# Altium PCB RF-BIG-DB5AT_v1.pcbdoc (part 4 of 7)
Units mm, origin at the board's own origin, x right, y up, seen from the top; angles counter-clockwise.
Board outline 281 x 128.57 mm, 2 copper layers (Top Layer, Bottom Layer), stack 1.671 mm thick; 500 components, 260 nets, 1552 pads, 9606 vias.
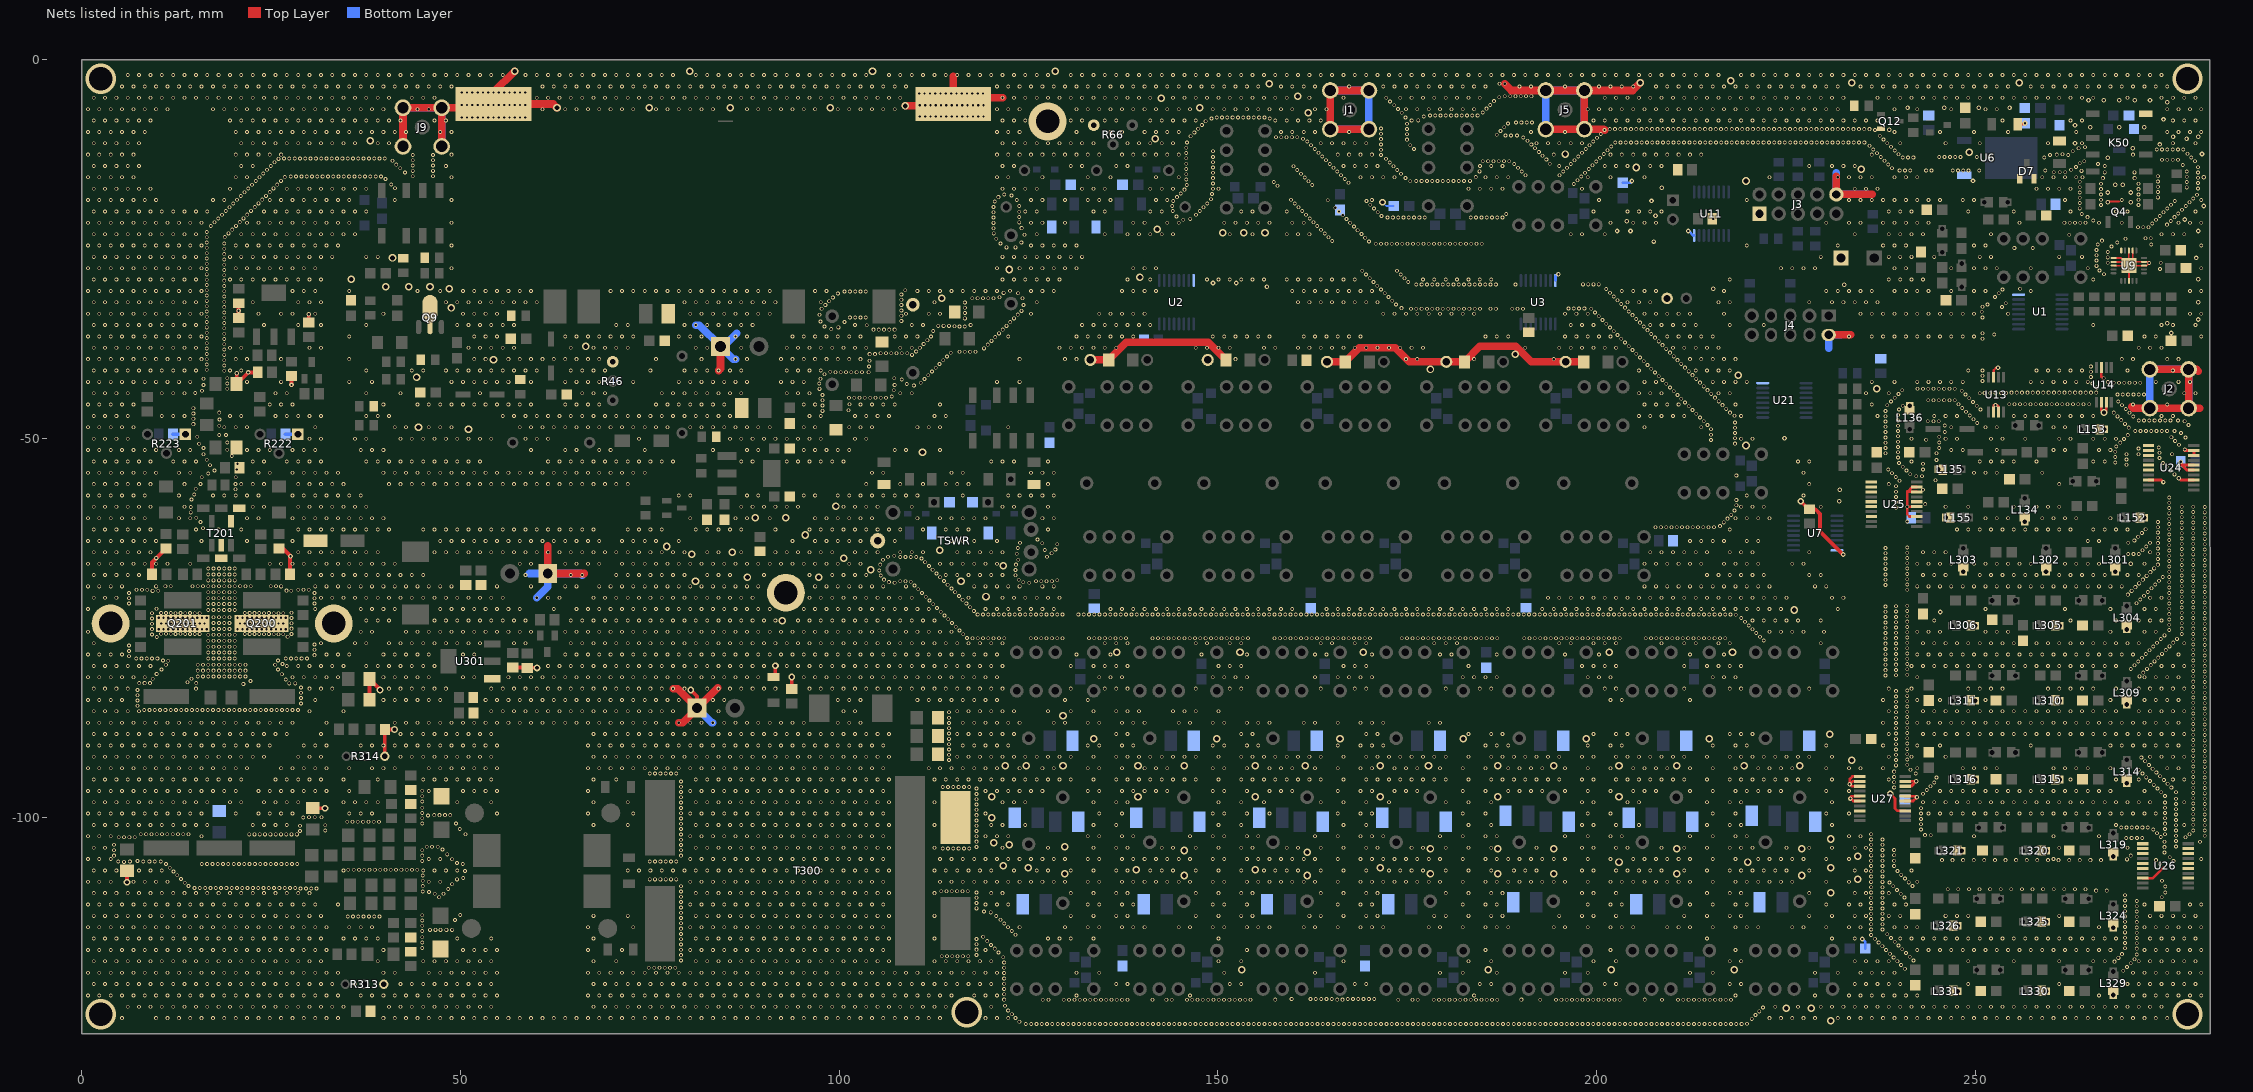
[diagram p4: the nets of this part, all layers, seen from the top]

## Via types
v1: diameter 0.5, hole 0.3, Top Layer to Bottom Layer, tented both sides, 9171 vias
v2: diameter 1, hole 0.61, Top Layer to Bottom Layer, 141 vias
v3: diameter 0.9, hole 0.5, Top Layer to Bottom Layer, 84 vias
v4: diameter 0.61, hole 0.305, Top Layer to Bottom Layer, 83 vias
v5: diameter 0.5, hole 0.3, Top Layer to Bottom Layer, tented bottom, 64 vias
v6: diameter 0.6, hole 0.3, Top Layer to Bottom Layer, 43 vias
v7: diameter 4, hole 3.1, Top Layer to Bottom Layer, 6 vias
v8: diameter 0.7, hole 0.3, Top Layer to Bottom Layer, 4 vias
v9: diameter 0.61, hole 0.306, Top Layer to Bottom Layer, 3 vias
v10: diameter 0.5, hole 0.305, Top Layer to Bottom Layer, 2 vias
v11: diameter 2, hole 1, Top Layer to Bottom Layer, 2 vias
v12: diameter 0.5, hole 0.3, Top Layer to Bottom Layer, 1 vias
v13: diameter 5, hole 3.1, Top Layer to Bottom Layer, 1 vias
v14: diameter 1, hole 0.4, Top Layer to Bottom Layer, 1 vias

## Nets (pads, with @x,y where several pads share a name; then routed paths per layer and width w, separated by ;. In a path a pad name is that pad's centre, name@x,y a point inside that pad or via, vN(x,y) a via of type N, cw(c..) or ccw(c..) an arc to the next point about the centre after c; other vN are vias at no path point) (continued)
GND: (continued)
  other v1: 54.818,-90.522 66.818,-90.522 68.318,-90.522 69.818,-90.522 71.318,-90.522 72.818,-90.522 74.318,-90.522 75.818,-90.522 77.318,-90.522 78.818,-90.522 80.318,-90.522 81.818,-90.522 83.318,-90.522 84.818,-90.522 86.318,-90.522 87.818,-90.522 89.318,-90.522 90.818,-90.522 92.318,-90.522 93.818,-90.522 95.318,-90.522 96.818,-90.522 98.318,-90.522 99.818,-90.522 101.318,-90.522 102.818,-90.522 104.318,-90.522 105.818,-90.522 116.318,-90.522 117.818,-90.522 119.318,-90.522 120.818,-90.522 122.318,-90.522 132.818,-90.522 134.318,-90.522 137.318,-90.522 138.818,-90.522 149.318,-90.522 150.818,-90.522 153.818,-90.522 155.318,-90.522 165.818,-90.522 168.818,-90.522 170.318,-90.522 171.818,-90.522 185.318,-90.522 186.818,-90.522 188.318,-90.522 198.818,-90.522 201.818,-90.522 203.318,-90.522 215.318,-90.522 218.318,-90.522 219.818,-90.522 230.318,-90.522 237.818,-90.522 242.318,-90.522 245.318,-90.522 257.318,-90.522 267.818,-90.522 269.318,-90.522 270.818,-90.522 272.318,-90.522 273.818,-90.522 275.318,-90.522 276.818,-90.522 278.765,-90.499 114.482,-90.353 239.522,-90.353 240.99,-90.277 280.289,-89.852 278.765,-89.799 114.482,-89.653 239.522,-89.653 240.99,-89.577 280.289,-89.152 278.765,-89.099 1.568,-89.022 3.068,-89.022 4.568,-89.022 6.068,-89.022 7.568,-89.022 9.068,-89.022 10.568,-89.022 12.068,-89.022 13.568,-89.022 15.068,-89.022 16.568,-89.022 18.068,-89.022 19.568,-89.022 21.068,-89.022 22.568,-89.022 24.068,-89.022 25.568,-89.022 27.068,-89.022 31.568,-89.022 42.068,-89.022 43.568,-89.022 45.068,-89.022 46.568,-89.022 48.068,-89.022 49.568,-89.022 51.068,-89.022 52.568,-89.022 54.068,-89.022 67.568,-89.022 69.068,-89.022 70.568,-89.022 72.068,-89.022 73.568,-89.022 75.068,-89.022 76.568,-89.022 78.068,-89.022 79.568,-89.022 81.068,-89.022 82.568,-89.022 84.068,-89.022 85.568,-89.022 87.068,-89.022 88.568,-89.022 90.068,-89.022 91.568,-89.022 93.068,-89.022 94.568,-89.022 96.068,-89.022 97.568,-89.022 99.068,-89.022 100.568,-89.022 102.068,-89.022 103.568,-89.022 105.068,-89.022 106.568,-89.022 115.568,-89.022 117.068,-89.022 118.568,-89.022 120.068,-89.022 121.568,-89.022 123.068,-89.022 136.568,-89.022 138.068,-89.022 153.068,-89.022 154.568,-89.022 169.568,-89.022 171.068,-89.022 183.068,-89.022 186.068,-89.022 187.568,-89.022 199.568,-89.022 202.568,-89.022 204.068,-89.022 217.568,-89.022 219.068,-89.022 220.568,-89.022 238.568,-89.022 243.068,-89.022 244.568,-89.022 246.068,-89.022 247.568,-89.022 249.068,-89.022 250.568,-89.022 252.068,-89.022 253.568,-89.022 255.068,-89.022 256.568,-89.022 258.068,-89.022 259.568,-89.022 261.068,-89.022 262.568,-89.022 264.068,-89.022 265.568,-89.022 267.068,-89.022 268.568,-89.022 270.068,-89.022 271.568,-89.022 273.068,-89.022 274.568,-89.022 276.068,-89.022 277.568,-89.022 114.482,-88.953 239.522,-88.953 240.99,-88.877 280.289,-88.452 278.765,-88.399 114.482,-88.253 239.522,-88.253 240.99,-88.177 280.289,-87.752 278.765,-87.699 114.482,-87.553 239.522,-87.553 0.818,-87.522 2.318,-87.522 3.818,-87.522 5.318,-87.522 6.818,-87.522 8.318,-87.522 9.818,-87.522 11.318,-87.522 12.818,-87.522 14.318,-87.522 15.818,-87.522 17.318,-87.522 18.818,-87.522 20.318,-87.522 21.818,-87.522 23.318,-87.522 24.818,-87.522 26.318,-87.522 27.818,-87.522 32.318,-87.522 41.318,-87.522 42.818,-87.522 44.318,-87.522 45.818,-87.522 47.318,-87.522 48.818,-87.522 50.318,-87.522 51.818,-87.522 53.318,-87.522 54.818,-87.522 56.318,-87.522 57.818,-87.522 59.318,-87.522 60.818,-87.522 62.318,-87.522 63.818,-87.522 65.318,-87.522 66.818,-87.522 68.318,-87.522 69.818,-87.522 71.318,-87.522 72.818,-87.522 74.318,-87.522 75.818,-87.522 77.318,-87.522 80.318,-87.522 81.818,-87.522 84.818,-87.522 86.318,-87.522 87.818,-87.522 89.318,-87.522 90.818,-87.522 92.318,-87.522 93.818,-87.522 95.318,-87.522 99.818,-87.522 101.318,-87.522 102.818,-87.522 116.318,-87.522 117.818,-87.522 119.318,-87.522 120.818,-87.522 122.318,-87.522 123.818,-87.522 128.318,-87.522 129.818,-87.522 132.818,-87.522 134.318,-87.522 137.318,-87.522 138.818,-87.522 140.318,-87.522 144.818,-87.522 146.318,-87.522 149.318,-87.522 150.818,-87.522 153.818,-87.522 155.318,-87.522 156.818,-87.522 161.318,-87.522 162.818,-87.522 165.818,-87.522 168.818,-87.522 170.318,-87.522 171.818,-87.522 177.818,-87.522 179.318,-87.522 237.818,-87.522 242.318,-87.522 243.818,-87.522 245.318,-87.522 246.818,-87.522 248.318,-87.522 249.818,-87.522 251.318,-87.522 252.818,-87.522 254.318,-87.522 255.818,-87.522 257.318,-87.522 258.818,-87.522 260.318,-87.522 261.818,-87.522 263.318,-87.522 264.818,-87.522 266.318,-87.522 267.818,-87.522 269.318,-87.522 270.818,-87.522 272.318,-87.522 273.818,-87.522 275.318,-87.522 276.818,-87.522 240.99,-87.477 280.289,-87.052 278.765,-86.999 114.482,-86.853 239.522,-86.853 240.99,-86.777 280.289,-86.352 278.765,-86.299 114.482,-86.153 239.522,-86.153 240.99,-86.077 1.568,-86.022 3.068,-86.022 4.568,-86.022 6.068,-86.022 7.568,-86.022 30.068,-86.022 34.568,-86.022 54.068,-86.022 55.568,-86.022 57.068,-86.022 58.568,-86.022 60.068,-86.022 61.568,-86.022 63.068,-86.022 64.568,-86.022 66.068,-86.022 67.568,-86.022 69.068,-86.022 70.568,-86.022 72.068,-86.022 73.568,-86.022 75.068,-86.022 76.568,-86.022 78.068,-86.022 84.068,-86.022 100.568,-86.022 102.068,-86.022 115.568,-86.022 117.068,-86.022 118.568,-86.022 120.068,-86.022 121.568,-86.022 123.068,-86.022 127.568,-86.022 130.568,-86.022 133.568,-86.022 136.568,-86.022 138.068,-86.022 139.568,-86.022 144.068,-86.022 145.568,-86.022 147.068,-86.022 150.068,-86.022 238.568,-86.022 243.068,-86.022 244.568,-86.022 246.068,-86.022 247.568,-86.022 249.068,-86.022 250.568,-86.022 252.068,-86.022 253.568,-86.022 255.068,-86.022 256.568,-86.022 258.068,-86.022 259.568,-86.022 261.068,-86.022 262.568,-86.022 264.068,-86.022 265.568,-86.022 267.068,-86.022 268.568,-86.022 271.568,-86.022 273.068,-86.022 274.568,-86.022 276.068,-86.022 277.568,-86.022 8.235,-85.852 8.935,-85.852 9.635,-85.852 10.335,-85.852 11.035,-85.852 11.735,-85.852 12.435,-85.852 13.135,-85.852 13.835,-85.852 14.535,-85.852 15.235,-85.852 15.935,-85.852 16.635,-85.852 17.335,-85.852 18.035,-85.852 18.735,-85.852 19.435,-85.852 20.135,-85.852 20.835,-85.852 21.535,-85.852 22.235,-85.852 22.935,-85.852 23.635,-85.852 24.335,-85.852 25.035,-85.852 25.735,-85.852 26.435,-85.852 27.135,-85.852 27.835,-85.852 28.535,-85.852 280.289,-85.652 278.765,-85.599 239.522,-85.453 240.99,-85.377 7.366,-85.292 28.953,-84.97 280.289,-84.952 278.765,-84.899 239.522,-84.753 240.99,-84.677 7.366,-84.592 0.818,-84.522 2.318,-84.522 3.818,-84.522 5.318,-84.522 30.818,-84.522 39.818,-84.522 41.318,-84.522 42.818,-84.522 44.318,-84.522 45.818,-84.522 47.318,-84.522 53.318,-84.522 54.818,-84.522 56.318,-84.522 57.818,-84.522 59.318,-84.522 60.818,-84.522 62.318,-84.522 63.818,-84.522 65.318,-84.522 66.818,-84.522 68.318,-84.522 69.818,-84.522 71.318,-84.522 72.818,-84.522 74.318,-84.522 75.818,-84.522 77.318,-84.522 78.818,-84.522 83.318,-84.522 84.818,-84.522 99.818,-84.522 101.318,-84.522 102.818,-84.522 110.318,-84.522 111.818,-84.522 113.318,-84.522 114.818,-84.522 116.318,-84.522 117.818,-84.522 119.318,-84.522 120.818,-84.522 129.818,-84.522 132.818,-84.522 201.818,-84.522 203.318,-84.522 212.318,-84.522 237.818,-84.522 242.318,-84.522 245.318,-84.522 251.318,-84.522 267.818,-84.522 272.318,-84.522 273.818,-84.522 275.318,-84.522 276.818,-84.522 28.953,-84.27 280.289,-84.252 278.765,-84.199 239.522,-84.053 240.99,-83.977 7.366,-83.892 28.953,-83.57 280.289,-83.552 278.765,-83.499 239.522,-83.353 240.99,-83.277 7.366,-83.192 1.568,-83.022 3.068,-83.022 4.568,-83.022 6.068,-83.022 15.068,-83.022 30.068,-83.022 31.568,-83.022 33.068,-83.022 40.568,-83.022 42.068,-83.022 43.568,-83.022 45.068,-83.022 46.568,-83.022 48.068,-83.022 54.068,-83.022 55.568,-83.022 57.068,-83.022 58.568,-83.022 60.068,-83.022 61.568,-83.022 63.068,-83.022 64.568,-83.022 66.068,-83.022 67.568,-83.022 69.068,-83.022 70.568,-83.022 72.068,-83.022 73.568,-83.022 75.068,-83.022 76.568,-83.022 79.568,-83.022 82.568,-83.022 84.068,-83.022 85.568,-83.022 87.068,-83.022 88.568,-83.022 90.068,-83.022 91.568,-83.022 96.068,-83.022 97.568,-83.022 99.068,-83.022 100.568,-83.022 102.068,-83.022 103.568,-83.022 105.068,-83.022 106.568,-83.022 108.068,-83.022 109.568,-83.022 111.068,-83.022 112.568,-83.022 114.068,-83.022 115.568,-83.022 117.068,-83.022 118.568,-83.022 120.068,-83.022 121.568,-83.022 130.568,-83.022 135.068,-83.022 136.568,-83.022 138.068,-83.022 147.068,-83.022 151.568,-83.022 153.068,-83.022 163.568,-83.022 168.068,-83.022 169.568,-83.022 180.068,-83.022 184.568,-83.022 186.068,-83.022 201.068,-83.022 202.568,-83.022 211.568,-83.022 217.568,-83.022 219.068,-83.022 228.068,-83.022 238.568,-83.022 241.568,-83.022 249.068,-83.022 250.568,-83.022 252.068,-83.022 253.568,-83.022 259.568,-83.022 261.068,-83.022 262.568,-83.022 264.068,-83.022 265.568,-83.022 268.568,-83.022 271.568,-83.022 273.068,-83.022 274.568,-83.022 276.068,-83.022 277.568,-83.022 28.953,-82.87 280.289,-82.852 278.765,-82.799 21.336,-82.423 27.381,-82.326 28.188,-82.326 7.597,-82.296 8.297,-82.296 8.997,-82.296 15.107,-82.296 13.97,-82.171 280.289,-82.152 278.765,-82.099 22.271,-82.016 26.916,-81.822 9.374,-81.722 14.478,-81.717 0.818,-81.522 2.318,-81.522 3.818,-81.522 5.318,-81.522 6.818,-81.522 8.318,-81.522 27.818,-81.522 29.318,-81.522 30.818,-81.522 32.318,-81.522 33.818,-81.522 39.818,-81.522 41.318,-81.522 42.818,-81.522 44.318,-81.522 45.818,-81.522 50.318,-81.522 51.818,-81.522 56.318,-81.522 57.818,-81.522 59.318,-81.522 60.818,-81.522 62.318,-81.522 63.818,-81.522 65.318,-81.522 66.818,-81.522 68.318,-81.522 69.818,-81.522 71.318,-81.522 72.818,-81.522 74.318,-81.522 75.818,-81.522 77.318,-81.522 78.818,-81.522 80.318,-81.522 81.818,-81.522 83.318,-81.522 84.818,-81.522 86.318,-81.522 87.818,-81.522 89.318,-81.522 95.318,-81.522 96.818,-81.522 98.318,-81.522 99.818,-81.522 101.318,-81.522 102.818,-81.522 104.318,-81.522 105.818,-81.522 107.318,-81.522 108.818,-81.522 110.318,-81.522 111.818,-81.522 113.318,-81.522 114.818,-81.522 116.318,-81.522 117.818,-81.522 119.318,-81.522 120.818,-81.522 134.318,-81.522 135.818,-81.522 137.318,-81.522 149.318,-81.522 150.818,-81.522 152.318,-81.522 153.818,-81.522 162.818,-81.522 165.818,-81.522 167.318,-81.522 168.818,-81.522 170.318,-81.522 182.318,-81.522 183.818,-81.522 185.318,-81.522 186.818,-81.522 198.818,-81.522 200.318,-81.522 201.818,-81.522 215.318,-81.522 216.818,-81.522 218.318,-81.522 242.318,-81.522 272.318,-81.522 273.818,-81.522 275.318,-81.522 276.818,-81.522 280.289,-81.452 15.305,-81.407 16.005,-81.407 16.705,-81.407 17.405,-81.407 18.105,-81.407 18.805,-81.407 19.505,-81.407 20.205,-81.407 20.905,-81.407 21.605,-81.407 271.656,-81.404 278.765,-81.399 238.125,-81.28 239.522,-81.253 240.99,-81.177 26.416,-81.122 9.882,-81.087 272.151,-80.909 280.289,-80.752 278.765,-80.699 15.305,-80.645 16.005,-80.645 16.705,-80.645 17.405,-80.645 18.105,-80.645 18.805,-80.645 19.505,-80.645 20.205,-80.645 20.905,-80.645 21.605,-80.645 238.125,-80.58 239.522,-80.553 10.517,-80.487 25.908,-80.487 240.99,-80.477 270.5,-80.444 272.646,-80.414 280.289,-80.052 1.568,-80.022 3.068,-80.022 4.568,-80.022 6.068,-80.022 7.568,-80.022 9.068,-80.022 27.068,-80.022 28.568,-80.022 30.068,-80.022 31.568,-80.022 33.068,-80.022 34.568,-80.022 37.568,-80.022 39.068,-80.022 40.568,-80.022 42.068,-80.022 43.568,-80.022 45.068,-80.022 46.568,-80.022 61.568,-80.022 63.068,-80.022 64.568,-80.022 66.068,-80.022 67.568,-80.022 69.068,-80.022 70.568,-80.022 72.068,-80.022 73.568,-80.022 75.068,-80.022 76.568,-80.022 78.068,-80.022 79.568,-80.022 81.068,-80.022 82.568,-80.022 84.068,-80.022 85.568,-80.022 87.068,-80.022 88.568,-80.022 90.068,-80.022 93.068,-80.022 94.568,-80.022 96.068,-80.022 97.568,-80.022 99.068,-80.022 100.568,-80.022 102.068,-80.022 103.568,-80.022 105.068,-80.022 106.568,-80.022 108.068,-80.022 109.568,-80.022 111.068,-80.022 112.568,-80.022 114.068,-80.022 115.568,-80.022 117.068,-80.022 118.568,-80.022 120.068,-80.022 121.568,-80.022 130.568,-80.022 133.568,-80.022 135.068,-80.022 136.568,-80.022 138.068,-80.022 150.068,-80.022 151.568,-80.022 153.068,-80.022 166.568,-80.022 168.068,-80.022 169.568,-80.022 183.068,-80.022 198.068,-80.022 199.568,-80.022 201.068,-80.022 202.568,-80.022 211.568,-80.022 214.568,-80.022 216.068,-80.022 217.568,-80.022 219.068,-80.022 241.568,-80.022 243.068,-80.022 244.568,-80.022 246.068,-80.022 247.568,-80.022 249.068,-80.022 250.568,-80.022 252.068,-80.022 253.568,-80.022 255.068,-80.022 256.568,-80.022 258.068,-80.022 259.568,-80.022 261.068,-80.022 262.568,-80.022 264.068,-80.022 265.568,-80.022 267.068,-80.022 268.568,-80.022 274.568,-80.022 276.068,-80.022 277.568,-80.022 278.765,-79.999 270.995,-79.949 273.141,-79.919 11.102,-79.883 15.305,-79.883 16.005,-79.883 16.705,-79.883 17.405,-79.883 18.105,-79.883 18.805,-79.883 19.505,-79.883 20.205,-79.883 20.905,-79.883 21.605,-79.883 25.527,-79.883 238.125,-79.88 239.522,-79.853 240.99,-79.777 26.494,-79.756 271.49,-79.454 273.636,-79.424 280.289,-79.352 11.429,-79.331 10.717,-79.299 25.908,-79.299 278.765,-79.299 238.125,-79.18 239.522,-79.153 7.18,-79.058 7.88,-79.058 8.58,-79.058 9.28,-79.058 9.98,-79.058 16.705,-79.058 17.405,-79.058 18.105,-79.058 18.805,-79.058 19.505,-79.058 20.205,-79.058 26.927,-79.058 27.627,-79.058 28.327,-79.058 29.027,-79.058 29.727,-79.058 240.99,-79.077 271.985,-78.959 274.131,-78.929 6.223,-78.743 280.289,-78.652 30.734,-78.599 278.765,-78.599 0.818,-78.522 2.318,-78.522 3.818,-78.522 5.318,-78.522 32.318,-78.522 33.818,-78.522 35.318,-78.522 39.818,-78.522 41.318,-78.522 42.818,-78.522 44.318,-78.522 45.818,-78.522 50.318,-78.522 51.818,-78.522 63.818,-78.522 65.318,-78.522 66.818,-78.522 68.318,-78.522 69.818,-78.522 71.318,-78.522 72.818,-78.522 74.318,-78.522 75.818,-78.522 77.318,-78.522 78.818,-78.522 80.318,-78.522 81.818,-78.522 83.318,-78.522 84.818,-78.522 86.318,-78.522 87.818,-78.522 89.318,-78.522 90.818,-78.522 92.318,-78.522 93.818,-78.522 95.318,-78.522 96.818,-78.522 98.318,-78.522 99.818,-78.522 101.318,-78.522 102.818,-78.522 104.318,-78.522 105.818,-78.522 107.318,-78.522 108.818,-78.522 110.318,-78.522 111.818,-78.522 113.318,-78.522 114.818,-78.522 116.318,-78.522 117.818,-78.522 119.318,-78.522 120.818,-78.522 131.318,-78.522 135.818,-78.522 147.818,-78.522 153.818,-78.522 162.818,-78.522 164.318,-78.522 170.318,-78.522 179.318,-78.522 180.818,-78.522 186.818,-78.522 195.818,-78.522 200.318,-78.522 212.318,-78.522 216.818,-78.522 242.318,-78.522 243.818,-78.522 245.318,-78.522 246.818,-78.522 248.318,-78.522 249.818,-78.522 251.318,-78.522 252.818,-78.522 254.318,-78.522 255.818,-78.522 257.318,-78.522 258.818,-78.522 260.318,-78.522 261.818,-78.522 263.318,-78.522 264.818,-78.522 266.318,-78.522 267.818,-78.522 269.318,-78.522 270.818,-78.522 276.818,-78.522 238.125,-78.48 239.522,-78.453 272.48,-78.464 274.626,-78.434 240.99,-78.377 16.705,-78.258 17.405,-78.258 18.105,-78.258 18.805,-78.258 19.505,-78.258 20.205,-78.258 6.223,-78.043 272.975,-77.969 280.289,-77.952 275.121,-77.939 30.734,-77.899 278.765,-77.899 238.125,-77.78 239.522,-77.753 240.99,-77.677 16.705,-77.483 17.405,-77.483 18.105,-77.483 18.805,-77.483 19.505,-77.483 20.205,-77.483 273.47,-77.474 275.616,-77.444 6.223,-77.343 280.289,-77.252 30.734,-77.199 278.765,-77.199 238.125,-77.08 239.522,-77.053 1.568,-77.022 31.568,-77.022 36.068,-77.022 37.568,-77.022 40.568,-77.022 42.068,-77.022 43.568,-77.022 45.068,-77.022 46.568,-77.022 48.068,-77.022 49.568,-77.022 51.068,-77.022 52.568,-77.022 57.068,-77.022 58.568,-77.022 64.568,-77.022 66.068,-77.022 67.568,-77.022 69.068,-77.022 70.568,-77.022 72.068,-77.022 73.568,-77.022 75.068,-77.022 76.568,-77.022 78.068,-77.022 79.568,-77.022 81.068,-77.022 82.568,-77.022 84.068,-77.022 85.568,-77.022 87.068,-77.022 88.568,-77.022 90.068,-77.022 91.568,-77.022 93.068,-77.022 94.568,-77.022 96.068,-77.022 97.568,-77.022 99.068,-77.022 100.568,-77.022 102.068,-77.022 103.568,-77.022 105.068,-77.022 106.568,-77.022 108.068,-77.022 109.568,-77.022 111.068,-77.022 112.568,-77.022 114.068,-77.022 115.568,-77.022 117.068,-77.022 118.568,-77.022 120.068,-77.022 121.568,-77.022 135.068,-77.022 136.568,-77.022 138.068,-77.022 147.068,-77.022 148.568,-77.022 151.568,-77.022 153.068,-77.022 163.568,-77.022 165.068,-77.022 168.068,-77.022 169.568,-77.022 178.568,-77.022 180.068,-77.022 181.568,-77.022 195.068,-77.022 196.568,-77.022 199.568,-77.022 201.068,-77.022 202.568,-77.022 208.568,-77.022 211.568,-77.022 213.068,-77.022 216.068,-77.022 217.568,-77.022 229.568,-77.022 243.068,-77.022 244.568,-77.022 246.068,-77.022 247.568,-77.022 249.068,-77.022 250.568,-77.022 252.068,-77.022 253.568,-77.022 255.068,-77.022 258.068,-77.022 259.568,-77.022 261.068,-77.022 262.568,-77.022 264.068,-77.022 265.568,-77.022 267.068,-77.022 268.568,-77.022 270.068,-77.022 271.568,-77.022 277.568,-77.022 240.99,-76.977 273.965,-76.979 276.111,-76.949 16.705,-76.708 17.405,-76.708 18.105,-76.708 18.805,-76.708 19.505,-76.708 20.205,-76.708 222.045,-76.669 280.289,-76.552 278.765,-76.499 274.46,-76.484 276.606,-76.454 117.58,-76.38 118.28,-76.38 118.98,-76.38 119.68,-76.38 120.38,-76.38 121.08,-76.38 121.78,-76.38 125.272,-76.38 125.972,-76.38 126.672,-76.38 127.372,-76.38 128.072,-76.38 128.772,-76.38 129.472,-76.38 132.972,-76.38 133.672,-76.38 134.372,-76.38 135.072,-76.38 135.772,-76.38 136.472,-76.38 137.172,-76.38 137.872,-76.38 141.372,-76.38 142.072,-76.38 142.772,-76.38 143.472,-76.38 144.172,-76.38 144.872,-76.38 145.572,-76.38 146.272,-76.38 146.972,-76.38 147.672,-76.38 148.372,-76.38 149.072,-76.38 149.772,-76.38 150.472,-76.38 151.172,-76.38 151.872,-76.38 152.572,-76.38 153.272,-76.38 153.972,-76.38 157.472,-76.38 158.172,-76.38 158.872,-76.38 159.572,-76.38 160.272,-76.38 160.972,-76.38 161.672,-76.38 162.372,-76.38 163.072,-76.38 163.772,-76.38 164.472,-76.38 165.172,-76.38 165.872,-76.38 166.572,-76.38 167.272,-76.38 167.972,-76.38 168.672,-76.38 169.372,-76.38 170.072,-76.38 174.272,-76.38 174.972,-76.38 175.672,-76.38 176.372,-76.38 177.072,-76.38 177.772,-76.38 178.472,-76.38 179.172,-76.38 179.872,-76.38 180.572,-76.38 181.272,-76.38 181.972,-76.38 182.672,-76.38 183.372,-76.38 184.072,-76.38 184.772,-76.38 185.472,-76.38 186.172,-76.38 186.872,-76.38 190.437,-76.38 191.137,-76.38 191.837,-76.38 192.537,-76.38 193.237,-76.38 193.937,-76.38 194.637,-76.38 195.337,-76.38 196.037,-76.38 196.737,-76.38 197.437,-76.38 198.137,-76.38 198.837,-76.38 199.537,-76.38 200.237,-76.38 200.937,-76.38 201.637,-76.38 202.337,-76.38 203.037,-76.38 206.472,-76.38 207.172,-76.38 207.872,-76.38 208.572,-76.38 209.272,-76.38 209.972,-76.38 210.672,-76.38 211.372,-76.38 212.072,-76.38 212.772,-76.38 213.472,-76.38 214.172,-76.38 214.872,-76.38 215.572,-76.38 216.272,-76.38 216.972,-76.38 238.125,-76.38 239.522,-76.353 116.872,-76.327 240.99,-76.277 9.906,-76.21 27.178,-76.174 221.55,-76.174 274.955,-75.989 16.705,-75.91 17.405,-75.91 18.105,-75.91 18.805,-75.91 19.505,-75.91 20.205,-75.91 9.271,-75.867 24.054,-75.832 25.336,-75.832 25.971,-75.832 26.607,-75.832 116.377,-75.832 280.289,-75.852 12.383,-75.818 13.652,-75.818 14.922,-75.818 15.557,-75.818 22.796,-75.818 10.477,-75.785 11.112,-75.785 11.747,-75.785 13.03,-75.785 14.287,-75.799 21.526,-75.799 22.162,-75.799 23.431,-75.799 24.701,-75.799 27.698,-75.799 277.241,-75.799 278.765,-75.799 238.125,-75.68 221.055,-75.679 239.522,-75.653 240.99,-75.577 0.818,-75.522 36.818,-75.522 38.318,-75.522 42.818,-75.522 44.318,-75.522 45.818,-75.522 47.318,-75.522 48.818,-75.522 50.318,-75.522 51.818,-75.522 53.318,-75.522 54.818,-75.522 56.318,-75.522 57.818,-75.522 59.318,-75.522 63.818,-75.522 65.318,-75.522 66.818,-75.522 68.318,-75.522 69.818,-75.522 71.318,-75.522 72.818,-75.522 74.318,-75.522 75.818,-75.522 77.318,-75.522 78.818,-75.522 80.318,-75.522 81.818,-75.522 83.318,-75.522 84.818,-75.522 86.318,-75.522 87.818,-75.522 89.318,-75.522 90.818,-75.522 92.318,-75.522 93.818,-75.522 